# KiCad board constellation.kicad_pcb (continued)
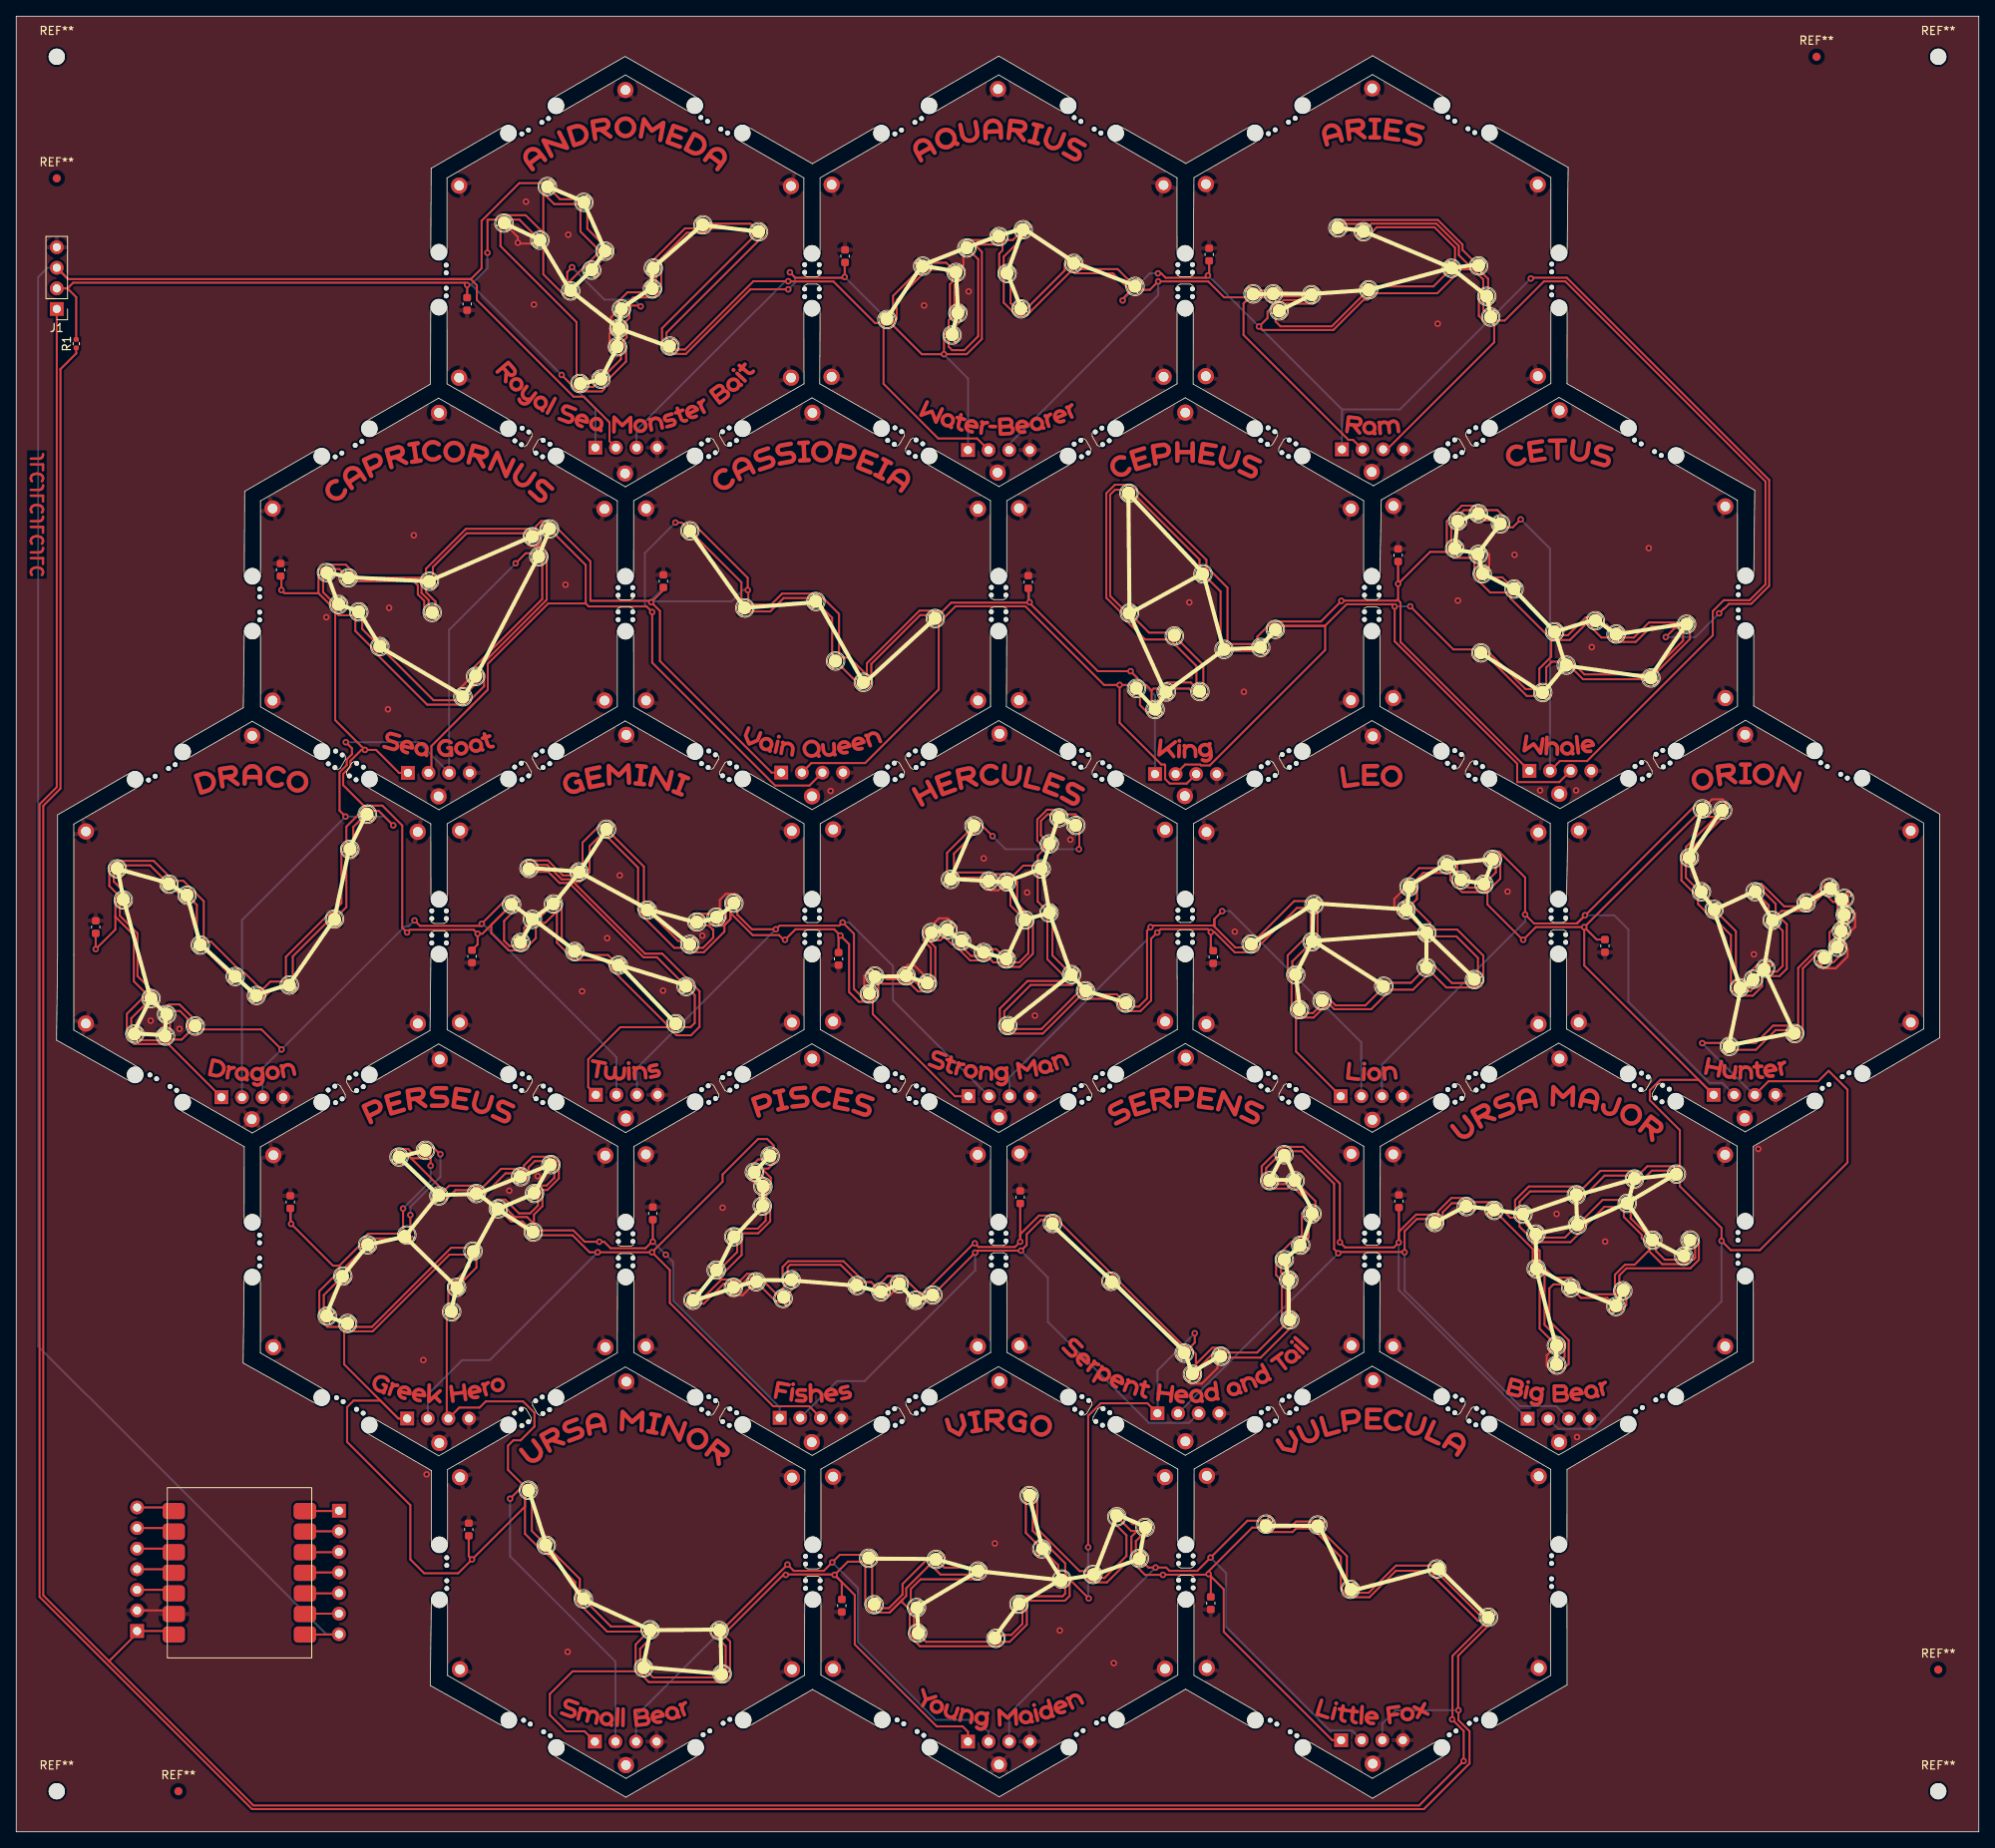
[diagram p0: board, top side]
## Placement (name value [footprint] x y rotation side) (continued)
U27  XL-1010RGBC  [LED-SMD_4P-L1.0-W1.0-TL_XL-1010RGBC-WS2812B]  123.9 187.9 225 top
U28  XL-1010RGBC  [LED-SMD_4P-L1.0-W1.0-TL_XL-1010RGBC-WS2812B]  130.41 193.5 180 top
U29  XL-1010RGBC  [LED-SMD_4P-L1.0-W1.0-TL_XL-1010RGBC-WS2812B]  137.96 190.66 180 top
U30  XL-1010RGBC  [LED-SMD_4P-L1.0-W1.0-TL_XL-1010RGBC-WS2812B]  152.52 189.74 270 top
U31  XL-1010RGBC  [LED-SMD_4P-L1.0-W1.0-TL_XL-1010RGBC-WS2812B]  155 189.74 180 top
U32  XL-1010RGBC  [LED-SMD_4P-L1.0-W1.0-TL_XL-1010RGBC-WS2812B]  159.72 189.64 180 top
U33  XL-1010RGBC  [LED-SMD_4P-L1.0-W1.0-TL_XL-1010RGBC-WS2812B]  155.72 187.65 90 top
U34  XL-1010RGBC  [LED-SMD_4P-L1.0-W1.0-TL_XL-1010RGBC-WS2812B]  166.76 190.24 270 top
U35  XL-1010RGBC  [LED-SMD_4P-L1.0-W1.0-TL_XL-1010RGBC-WS2812B]  176.99 192.9 270 top
U36  XL-1010RGBC  [LED-SMD_4P-L1.0-W1.0-TL_XL-1010RGBC-WS2812B]  166.11 197.41 0 top
U37  XL-1010RGBC  [LED-SMD_4P-L1.0-W1.0-TL_XL-1010RGBC-WS2812B]  162.97 197.88 0 top
U38  XL-1010RGBC  [LED-SMD_4P-L1.0-W1.0-TL_XL-1010RGBC-WS2812B]  180.32 193.19 180 top
U39  XL-1010RGBC  [LED-SMD_4P-L1.0-W1.0-TL_XL-1010RGBC-WS2812B]  181.33 189.44 90 top
U40  XL-1010RGBC  [LED-SMD_4P-L1.0-W1.0-TL_XL-1010RGBC-WS2812B]  181.82 186.88 180 top
U41  XL-1010RGBC  [LED-SMD_4P-L1.0-W1.0-TL_XL-1010RGBC-WS2812B]  183.02 161.37 0 top
U42  XL-1010RGBC  [LED-SMD_4P-L1.0-W1.0-TL_XL-1010RGBC-WS2812B]  180.3 162.64 0 top
U43  XL-1010RGBC  [LED-SMD_4P-L1.0-W1.0-TL_XL-1010RGBC-WS2812B]  177.75 161.72 90 top
U44  XL-1010RGBC  [LED-SMD_4P-L1.0-W1.0-TL_XL-1010RGBC-WS2812B]  177.38 158.33 180 top
U45  XL-1010RGBC  [LED-SMD_4P-L1.0-W1.0-TL_XL-1010RGBC-WS2812B]  180.29 157.59 180 top
U46  XL-1010RGBC  [LED-SMD_4P-L1.0-W1.0-TL_XL-1010RGBC-WS2812B]  180.77 155.2 180 top
U47  XL-1010RGBC  [LED-SMD_4P-L1.0-W1.0-TL_XL-1010RGBC-WS2812B]  184.7 153.32 180 top
U48  XL-1010RGBC  [LED-SMD_4P-L1.0-W1.0-TL_XL-1010RGBC-WS2812B]  189.7 148.05 180 top
U49  XL-1010RGBC  [LED-SMD_4P-L1.0-W1.0-TL_XL-1010RGBC-WS2812B]  194.72 149.41 180 top
U50  XL-1010RGBC  [LED-SMD_4P-L1.0-W1.0-TL_XL-1010RGBC-WS2812B]  197.28 147.77 180 top
U51  XL-1010RGBC  [LED-SMD_4P-L1.0-W1.0-TL_XL-1010RGBC-WS2812B]  205.96 148.98 180 top
U52  XL-1010RGBC  [LED-SMD_4P-L1.0-W1.0-TL_XL-1010RGBC-WS2812B]  201.56 142.36 90 top
U53  XL-1010RGBC  [LED-SMD_4P-L1.0-W1.0-TL_XL-1010RGBC-WS2812B]  191.13 143.94 0 top
U54  XL-1010RGBC  [LED-SMD_4P-L1.0-W1.0-TL_XL-1010RGBC-WS2812B]  188.24 140.56 90 top
U55  XL-1010RGBC  [LED-SMD_4P-L1.0-W1.0-TL_XL-1010RGBC-WS2812B]  180.61 145.45 0 top
U56  XL-1010RGBC  [LED-SMD_4P-L1.0-W1.0-TL_XL-1010RGBC-WS2812B]  155.25 148.35 90 top
U57  XL-1010RGBC  [LED-SMD_4P-L1.0-W1.0-TL_XL-1010RGBC-WS2812B]  153.46 146.12 90 top
U58  XL-1010RGBC  [LED-SMD_4P-L1.0-W1.0-TL_XL-1010RGBC-WS2812B]  148.94 145.88 0 top
U59  XL-1010RGBC  [LED-SMD_4P-L1.0-W1.0-TL_XL-1010RGBC-WS2812B]  146.34 155.19 0 top
U60  XL-1010RGBC  [LED-SMD_4P-L1.0-W1.0-TL_XL-1010RGBC-WS2812B]  137.21 165.15 0 top
U61  XL-1010RGBC  [LED-SMD_4P-L1.0-W1.0-TL_XL-1010RGBC-WS2812B]  137.27 150.36 180 top
U62  XL-1010RGBC  [LED-SMD_4P-L1.0-W1.0-TL_XL-1010RGBC-WS2812B]  142.81 147.53 180 top
U63  XL-1010RGBC  [LED-SMD_4P-L1.0-W1.0-TL_XL-1010RGBC-WS2812B]  145.96 140.68 90 top
U64  XL-1010RGBC  [LED-SMD_4P-L1.0-W1.0-TL_XL-1010RGBC-WS2812B]  141.81 140.62 90 top
U65  XL-1010RGBC  [LED-SMD_4P-L1.0-W1.0-TL_XL-1010RGBC-WS2812B]  140.44 138.47 90 top
U66  XL-1010RGBC  [LED-SMD_4P-L1.0-W1.0-TL_XL-1010RGBC-WS2812B]  138.15 141.06 0 top
U67  XL-1010RGBC  [LED-SMD_4P-L1.0-W1.0-TL_XL-1010RGBC-WS2812B]  113.33 149.69 0 top
U68  XL-1010RGBC  [LED-SMD_4P-L1.0-W1.0-TL_XL-1010RGBC-WS2812B]  104.47 141.81 0 top
U69  XL-1010RGBC  [LED-SMD_4P-L1.0-W1.0-TL_XL-1010RGBC-WS2812B]  101.03 144.44 0 top
U70  XL-1010RGBC  [LED-SMD_4P-L1.0-W1.0-TL_XL-1010RGBC-WS2812B]  98.6 151.79 0 top
U71  XL-1010RGBC  [LED-SMD_4P-L1.0-W1.0-TL_XL-1010RGBC-WS2812B]  89.84 150.99 0 top
U72  XL-1010RGBC  [LED-SMD_4P-L1.0-W1.0-TL_XL-1010RGBC-WS2812B]  83.07 160.51 0 top
U73  XL-1010RGBC  [LED-SMD_4P-L1.0-W1.0-TL_XL-1010RGBC-WS2812B]  65.76 160.75 0 top
U74  XL-1010RGBC  [LED-SMD_4P-L1.0-W1.0-TL_XL-1010RGBC-WS2812B]  63.65 159.78 0 top
U75  XL-1010RGBC  [LED-SMD_4P-L1.0-W1.0-TL_XL-1010RGBC-WS2812B]  50.95 154.29 90 top
U76  XL-1010RGBC  [LED-SMD_4P-L1.0-W1.0-TL_XL-1010RGBC-WS2812B]  51.28 150.44 90 top
U77  XL-1010RGBC  [LED-SMD_4P-L1.0-W1.0-TL_XL-1010RGBC-WS2812B]  40.95 154.7 0 top
U78  XL-1010RGBC  [LED-SMD_4P-L1.0-W1.0-TL_XL-1010RGBC-WS2812B]  38.27 155.37 90 top
U79  XL-1010RGBC  [LED-SMD_4P-L1.0-W1.0-TL_XL-1010RGBC-WS2812B]  39.76 151.42 180 top
U80  XL-1010RGBC  [LED-SMD_4P-L1.0-W1.0-TL_XL-1010RGBC-WS2812B]  42.24 150.51 180 top
U81  XL-1010RGBC  [LED-SMD_4P-L1.0-W1.0-TL_XL-1010RGBC-WS2812B]  44.84 146.22 180 top
U82  XL-1010RGBC  [LED-SMD_4P-L1.0-W1.0-TL_XL-1010RGBC-WS2812B]  55.08 140.03 270 top
U83  XL-1010RGBC  [LED-SMD_4P-L1.0-W1.0-TL_XL-1010RGBC-WS2812B]  56.64 142.54 0 top
U84  XL-1010RGBC  [LED-SMD_4P-L1.0-W1.0-TL_XL-1010RGBC-WS2812B]  64.44 157.32 0 top
U85  XL-1010RGBC  [LED-SMD_4P-L1.0-W1.0-TL_XL-1010RGBC-WS2812B]  43.29 125.55 90 top
U86  XL-1010RGBC  [LED-SMD_4P-L1.0-W1.0-TL_XL-1010RGBC-WS2812B]  41.13 121.2 90 top
U87  XL-1010RGBC  [LED-SMD_4P-L1.0-W1.0-TL_XL-1010RGBC-WS2812B]  39.25 112.62 90 top
U88  XL-1010RGBC  [LED-SMD_4P-L1.0-W1.0-TL_XL-1010RGBC-WS2812B]  33.68 104.47 90 top
U89  XL-1010RGBC  [LED-SMD_4P-L1.0-W1.0-TL_XL-1010RGBC-WS2812B]  29.62 103.19 0 top
U90  XL-1010RGBC  [LED-SMD_4P-L1.0-W1.0-TL_XL-1010RGBC-WS2812B]  27.01 105.52 0 top
U91  XL-1010RGBC  [LED-SMD_4P-L1.0-W1.0-TL_XL-1010RGBC-WS2812B]  22.7 109.4 0 top
U92  XL-1010RGBC  [LED-SMD_4P-L1.0-W1.0-TL_XL-1010RGBC-WS2812B]  21.07 115.55 0 top
U93  XL-1010RGBC  [LED-SMD_4P-L1.0-W1.0-TL_XL-1010RGBC-WS2812B]  18.84 116.91 0 top
U94  XL-1010RGBC  [LED-SMD_4P-L1.0-W1.0-TL_XL-1010RGBC-WS2812B]  12.46 118.81 90 top
U95  XL-1010RGBC  [LED-SMD_4P-L1.0-W1.0-TL_XL-1010RGBC-WS2812B]  13.2 114.97 90 top
U96  XL-1010RGBC  [LED-SMD_4P-L1.0-W1.0-TL_XL-1010RGBC-WS2812B]  16.62 102.81 90 top
U97  XL-1010RGBC  [LED-SMD_4P-L1.0-W1.0-TL_XL-1010RGBC-WS2812B]  14.62 98.44 180 top
U98  XL-1010RGBC  [LED-SMD_4P-L1.0-W1.0-TL_XL-1010RGBC-WS2812B]  18.4 98.17 270 top
U99  XL-1010RGBC  [LED-SMD_4P-L1.0-W1.0-TL_XL-1010RGBC-WS2812B]  18.54 100.84 0 top
U100  XL-1010RGBC  [LED-SMD_4P-L1.0-W1.0-TL_XL-1010RGBC-WS2812B]  22.07 99.42 180 top
U101  XL-1010RGBC  [LED-SMD_4P-L1.0-W1.0-TL_XL-1010RGBC-WS2812B]  61.09 114.41 180 top
U102  XL-1010RGBC  [LED-SMD_4P-L1.0-W1.0-TL_XL-1010RGBC-WS2812B]  62.22 109.72 270 top
U103  XL-1010RGBC  [LED-SMD_4P-L1.0-W1.0-TL_XL-1010RGBC-WS2812B]  63.65 112.57 270 top
U104  XL-1010RGBC  [LED-SMD_4P-L1.0-W1.0-TL_XL-1010RGBC-WS2812B]  66.25 114.47 270 top
U105  XL-1010RGBC  [LED-SMD_4P-L1.0-W1.0-TL_XL-1010RGBC-WS2812B]  68.87 108.6 180 top
U106  XL-1010RGBC  [LED-SMD_4P-L1.0-W1.0-TL_XL-1010RGBC-WS2812B]  74.25 106.92 180 top
U107  XL-1010RGBC  [LED-SMD_4P-L1.0-W1.0-TL_XL-1010RGBC-WS2812B]  81.33 99.69 180 top
U108  XL-1010RGBC  [LED-SMD_4P-L1.0-W1.0-TL_XL-1010RGBC-WS2812B]  82.61 104.29 0 top
U109  XL-1010RGBC  [LED-SMD_4P-L1.0-W1.0-TL_XL-1010RGBC-WS2812B]  63.23 118.86 0 top
U110  XL-1010RGBC  [LED-SMD_4P-L1.0-W1.0-TL_XL-1010RGBC-WS2812B]  69.41 118.42 270 top
U111  XL-1010RGBC  [LED-SMD_4P-L1.0-W1.0-TL_XL-1010RGBC-WS2812B]  72.79 123.69 180 top
U112  XL-1010RGBC  [LED-SMD_4P-L1.0-W1.0-TL_XL-1010RGBC-WS2812B]  77.83 113.7 180 top
U113  XL-1010RGBC  [LED-SMD_4P-L1.0-W1.0-TL_XL-1010RGBC-WS2812B]  83.06 109.48 180 top
U114  XL-1010RGBC  [LED-SMD_4P-L1.0-W1.0-TL_XL-1010RGBC-WS2812B]  83.93 112.25 0 top
U115  XL-1010RGBC  [LED-SMD_4P-L1.0-W1.0-TL_XL-1010RGBC-WS2812B]  86.33 112.84 180 top
U116  XL-1010RGBC  [LED-SMD_4P-L1.0-W1.0-TL_XL-1010RGBC-WS2812B]  88.49 114.57 180 top
U117  XL-1010RGBC  [LED-SMD_4P-L1.0-W1.0-TL_XL-1010RGBC-WS2812B]  105.19 103.38 270 top
U118  XL-1010RGBC  [LED-SMD_4P-L1.0-W1.0-TL_XL-1010RGBC-WS2812B]  105.87 105.57 270 top
U119  XL-1010RGBC  [LED-SMD_4P-L1.0-W1.0-TL_XL-1010RGBC-WS2812B]  109.74 105.6 270 top
U120  XL-1010RGBC  [LED-SMD_4P-L1.0-W1.0-TL_XL-1010RGBC-WS2812B]  112.36 104.69 270 top
U121  XL-1010RGBC  [LED-SMD_4P-L1.0-W1.0-TL_XL-1010RGBC-WS2812B]  112.83 110.94 180 top
U122  XL-1010RGBC  [LED-SMD_4P-L1.0-W1.0-TL_XL-1010RGBC-WS2812B]  114.89 111.31 180 top
U123  XL-1010RGBC  [LED-SMD_4P-L1.0-W1.0-TL_XL-1010RGBC-WS2812B]  116.56 109.89 180 top
U124  XL-1010RGBC  [LED-SMD_4P-L1.0-W1.0-TL_XL-1010RGBC-WS2812B]  119.27 108.48 270 top
U125  XL-1010RGBC  [LED-SMD_4P-L1.0-W1.0-TL_XL-1010RGBC-WS2812B]  122.08 107.68 180 top
U126  XL-1010RGBC  [LED-SMD_4P-L1.0-W1.0-TL_XL-1010RGBC-WS2812B]  124.39 112.5 0 top
U127  XL-1010RGBC  [LED-SMD_4P-L1.0-W1.0-TL_XL-1010RGBC-WS2812B]  122.16 117.19 0 top
U128  XL-1010RGBC  [LED-SMD_4P-L1.0-W1.0-TL_XL-1010RGBC-WS2812B]  119.94 117.31 0 top
U129  XL-1010RGBC  [LED-SMD_4P-L1.0-W1.0-TL_XL-1010RGBC-WS2812B]  115.2 117.5 0 top
U130  XL-1010RGBC  [LED-SMD_4P-L1.0-W1.0-TL_XL-1010RGBC-WS2812B]  118.1 124.11 270 top
U131  XL-1010RGBC  [LED-SMD_4P-L1.0-W1.0-TL_XL-1010RGBC-WS2812B]  130.66 124.16 0 top
U132  XL-1010RGBC  [LED-SMD_4P-L1.0-W1.0-TL_XL-1010RGBC-WS2812B]  128.59 125.11 0 top
U133  XL-1010RGBC  [LED-SMD_4P-L1.0-W1.0-TL_XL-1010RGBC-WS2812B]  127.39 121.88 180 top
U134  XL-1010RGBC  [LED-SMD_4P-L1.0-W1.0-TL_XL-1010RGBC-WS2812B]  126.39 118.78 90 top
U135  XL-1010RGBC  [LED-SMD_4P-L1.0-W1.0-TL_XL-1010RGBC-WS2812B]  127.35 113.38 180 top
U136  XL-1010RGBC  [LED-SMD_4P-L1.0-W1.0-TL_XL-1010RGBC-WS2812B]  130.13 105.76 180 top
U137  XL-1010RGBC  [LED-SMD_4P-L1.0-W1.0-TL_XL-1010RGBC-WS2812B]  122.26 99.47 180 top
U138  XL-1010RGBC  [LED-SMD_4P-L1.0-W1.0-TL_XL-1010RGBC-WS2812B]  131.85 103.75 180 top
U139  XL-1010RGBC  [LED-SMD_4P-L1.0-W1.0-TL_XL-1010RGBC-WS2812B]  136.81 102.23 180 top
U140  XL-1010RGBC  [LED-SMD_4P-L1.0-W1.0-TL_XL-1010RGBC-WS2812B]  152.28 109.53 270 top
U141  XL-1010RGBC  [LED-SMD_4P-L1.0-W1.0-TL_XL-1010RGBC-WS2812B]  160.03 114.41 180 top
U142  XL-1010RGBC  [LED-SMD_4P-L1.0-W1.0-TL_XL-1010RGBC-WS2812B]  159.79 109.82 90 top
U143  XL-1010RGBC  [LED-SMD_4P-L1.0-W1.0-TL_XL-1010RGBC-WS2812B]  157.78 105.72 180 top
U144  XL-1010RGBC  [LED-SMD_4P-L1.0-W1.0-TL_XL-1010RGBC-WS2812B]  158.24 101.44 180 top
U145  XL-1010RGBC  [LED-SMD_4P-L1.0-W1.0-TL_XL-1010RGBC-WS2812B]  161.02 102.52 270 top
U146  XL-1010RGBC  [LED-SMD_4P-L1.0-W1.0-TL_XL-1010RGBC-WS2812B]  168.63 104.32 270 top
U147  XL-1010RGBC  [LED-SMD_4P-L1.0-W1.0-TL_XL-1010RGBC-WS2812B]  173.88 106.64 270 top
U148  XL-1010RGBC  [LED-SMD_4P-L1.0-W1.0-TL_XL-1010RGBC-WS2812B]  179.82 105.14 270 top
U149  XL-1010RGBC  [LED-SMD_4P-L1.0-W1.0-TL_XL-1010RGBC-WS2812B]  173.94 110.89 0 top
U150  XL-1010RGBC  [LED-SMD_4P-L1.0-W1.0-TL_XL-1010RGBC-WS2812B]  171.38 113.75 0 top
U151  XL-1010RGBC  [LED-SMD_4P-L1.0-W1.0-TL_XL-1010RGBC-WS2812B]  171.74 116.57 0 top
U152  XL-1010RGBC  [LED-SMD_4P-L1.0-W1.0-TL_XL-1010RGBC-WS2812B]  176.41 119.32 270 top
U153  XL-1010RGBC  [LED-SMD_4P-L1.0-W1.0-TL_XL-1010RGBC-WS2812B]  178.12 117.43 180 top
U154  XL-1010RGBC  [LED-SMD_4P-L1.0-W1.0-TL_XL-1010RGBC-WS2812B]  180.99 116.91 270 top
U155  XL-1010RGBC  [LED-SMD_4P-L1.0-W1.0-TL_XL-1010RGBC-WS2812B]  182.03 119.97 0 top
U156  XL-1010RGBC  [LED-SMD_4P-L1.0-W1.0-TL_XL-1010RGBC-WS2812B]  207.93 126.19 180 top
U157  XL-1010RGBC  [LED-SMD_4P-L1.0-W1.0-TL_XL-1010RGBC-WS2812B]  210.42 126.04 180 top
U158  XL-1010RGBC  [LED-SMD_4P-L1.0-W1.0-TL_XL-1010RGBC-WS2812B]  206.31 120.18 90 top
U159  XL-1010RGBC  [LED-SMD_4P-L1.0-W1.0-TL_XL-1010RGBC-WS2812B]  207.79 115.97 180 top
U160  XL-1010RGBC  [LED-SMD_4P-L1.0-W1.0-TL_XL-1010RGBC-WS2812B]  209.37 113.8 180 top
U161  XL-1010RGBC  [LED-SMD_4P-L1.0-W1.0-TL_XL-1010RGBC-WS2812B]  212.48 104.13 180 top
U162  XL-1010RGBC  [LED-SMD_4P-L1.0-W1.0-TL_XL-1010RGBC-WS2812B]  214.21 105.18 0 top
U163  XL-1010RGBC  [LED-SMD_4P-L1.0-W1.0-TL_XL-1010RGBC-WS2812B]  215.71 106.55 180 top
U164  XL-1010RGBC  [LED-SMD_4P-L1.0-W1.0-TL_XL-1010RGBC-WS2812B]  216.53 112.45 0 top
U165  XL-1010RGBC  [LED-SMD_4P-L1.0-W1.0-TL_XL-1010RGBC-WS2812B]  214.41 115.99 0 top
U166  XL-1010RGBC  [LED-SMD_4P-L1.0-W1.0-TL_XL-1010RGBC-WS2812B]  220.72 114.61 270 top
U167  XL-1010RGBC  [LED-SMD_4P-L1.0-W1.0-TL_XL-1010RGBC-WS2812B]  223.59 116.48 180 top
U168  XL-1010RGBC  [LED-SMD_4P-L1.0-W1.0-TL_XL-1010RGBC-WS2812B]  225.43 115.16 180 top
U169  XL-1010RGBC  [LED-SMD_4P-L1.0-W1.0-TL_XL-1010RGBC-WS2812B]  225.54 113.13 180 top
U170  XL-1010RGBC  [LED-SMD_4P-L1.0-W1.0-TL_XL-1010RGBC-WS2812B]  225.07 111.13 90 top
U171  XL-1010RGBC  [LED-SMD_4P-L1.0-W1.0-TL_XL-1010RGBC-WS2812B]  224.6 109.11 180 top
U172  XL-1010RGBC  [LED-SMD_4P-L1.0-W1.0-TL_XL-1010RGBC-WS2812B]  222.78 107.67 0 top
U173  XL-1010RGBC  [LED-SMD_4P-L1.0-W1.0-TL_XL-1010RGBC-WS2812B]  219.31 98.48 0 top
U174  XL-1010RGBC  [LED-SMD_4P-L1.0-W1.0-TL_XL-1010RGBC-WS2812B]  211.24 96.9 0 top
U175  XL-1010RGBC  [LED-SMD_4P-L1.0-W1.0-TL_XL-1010RGBC-WS2812B]  204.72 81.15 0 top
U176  XL-1010RGBC  [LED-SMD_4P-L1.0-W1.0-TL_XL-1010RGBC-WS2812B]  199.54 80.53 0 top
U177  XL-1010RGBC  [LED-SMD_4P-L1.0-W1.0-TL_XL-1010RGBC-WS2812B]  192.38 78.59 0 top
U178  XL-1010RGBC  [LED-SMD_4P-L1.0-W1.0-TL_XL-1010RGBC-WS2812B]  185.79 76.19 180 top
U179  XL-1010RGBC  [LED-SMD_4P-L1.0-W1.0-TL_XL-1010RGBC-WS2812B]  187.4 73.75 180 top
U180  XL-1010RGBC  [LED-SMD_4P-L1.0-W1.0-TL_XL-1010RGBC-WS2812B]  192.53 74.88 270 top
U181  XL-1010RGBC  [LED-SMD_4P-L1.0-W1.0-TL_XL-1010RGBC-WS2812B]  198.66 77.53 180 top
U182  XL-1010RGBC  [LED-SMD_4P-L1.0-W1.0-TL_XL-1010RGBC-WS2812B]  201.79 72.99 180 top
U183  XL-1010RGBC  [LED-SMD_4P-L1.0-W1.0-TL_XL-1010RGBC-WS2812B]  205.62 71.01 270 top
U184  XL-1010RGBC  [LED-SMD_4P-L1.0-W1.0-TL_XL-1010RGBC-WS2812B]  206.4 73.01 270 top
U185  XL-1010RGBC  [LED-SMD_4P-L1.0-W1.0-TL_XL-1010RGBC-WS2812B]  198.1 66.75 180 top
U186  XL-1010RGBC  [LED-SMD_4P-L1.0-W1.0-TL_XL-1010RGBC-WS2812B]  197.25 64.81 0 top
U187  XL-1010RGBC  [LED-SMD_4P-L1.0-W1.0-TL_XL-1010RGBC-WS2812B]  191.71 67.12 0 top
U188  XL-1010RGBC  [LED-SMD_4P-L1.0-W1.0-TL_XL-1010RGBC-WS2812B]  189.97 57.59 0 top
U189  XL-1010RGBC  [LED-SMD_4P-L1.0-W1.0-TL_XL-1010RGBC-WS2812B]  189.93 59.99 0 top
U190  XL-1010RGBC  [LED-SMD_4P-L1.0-W1.0-TL_XL-1010RGBC-WS2812B]  187.43 69.47 0 top
U191  XL-1010RGBC  [LED-SMD_4P-L1.0-W1.0-TL_XL-1010RGBC-WS2812B]  182.24 76.67 0 top
U192  XL-1010RGBC  [LED-SMD_4P-L1.0-W1.0-TL_XL-1010RGBC-WS2812B]  178.82 77.13 0 top
U193  XL-1010RGBC  [LED-SMD_4P-L1.0-W1.0-TL_XL-1010RGBC-WS2812B]  174.92 75.18 0 top
U194  XL-1010RGBC  [LED-SMD_4P-L1.0-W1.0-TL_XL-1010RGBC-WS2812B]  156.33 83.54 90 top
U195  XL-1010RGBC  [LED-SMD_4P-L1.0-W1.0-TL_XL-1010RGBC-WS2812B]  154.55 80.33 180 top
U196  XL-1010RGBC  [LED-SMD_4P-L1.0-W1.0-TL_XL-1010RGBC-WS2812B]  157.7 80.31 180 top
U197  XL-1010RGBC  [LED-SMD_4P-L1.0-W1.0-TL_XL-1010RGBC-WS2812B]  159.78 76.25 90 top
U198  XL-1010RGBC  [LED-SMD_4P-L1.0-W1.0-TL_XL-1010RGBC-WS2812B]  158.39 72.38 90 top
U199  XL-1010RGBC  [LED-SMD_4P-L1.0-W1.0-TL_XL-1010RGBC-WS2812B]  156.37 70.59 90 top
U200  XL-1010RGBC  [LED-SMD_4P-L1.0-W1.0-TL_XL-1010RGBC-WS2812B]  156.91 68.08 180 top
U201  XL-1010RGBC  [LED-SMD_4P-L1.0-W1.0-TL_XL-1010RGBC-WS2812B]  157.04 63.16 180 top
U202  XL-1010RGBC  [LED-SMD_4P-L1.0-W1.0-TL_XL-1010RGBC-WS2812B]  148.56 58.67 0 top
U203  XL-1010RGBC  [LED-SMD_4P-L1.0-W1.0-TL_XL-1010RGBC-WS2812B]  145.04 56.45 0 top
U204  XL-1010RGBC  [LED-SMD_4P-L1.0-W1.0-TL_XL-1010RGBC-WS2812B]  144.03 59.06 0 top
U205  XL-1010RGBC  [LED-SMD_4P-L1.0-W1.0-TL_XL-1010RGBC-WS2812B]  134.99 67.92 0 top
U206  XL-1010RGBC  [LED-SMD_4P-L1.0-W1.0-TL_XL-1010RGBC-WS2812B]  127.78 75.06 0 top
U207  XL-1010RGBC  [LED-SMD_4P-L1.0-W1.0-TL_XL-1010RGBC-WS2812B]  113.03 66.23 90 top
U208  XL-1010RGBC  [LED-SMD_4P-L1.0-W1.0-TL_XL-1010RGBC-WS2812B]  110.92 65.59 0 top
U209  XL-1010RGBC  [LED-SMD_4P-L1.0-W1.0-TL_XL-1010RGBC-WS2812B]  108.89 67.6 0 top
U210  XL-1010RGBC  [LED-SMD_4P-L1.0-W1.0-TL_XL-1010RGBC-WS2812B]  106.62 66.62 90 top
U211  XL-1010RGBC  [LED-SMD_4P-L1.0-W1.0-TL_XL-1010RGBC-WS2812B]  103.69 67.4 0 top
U212  XL-1010RGBC  [LED-SMD_4P-L1.0-W1.0-TL_XL-1010RGBC-WS2812B]  95.56 68.1 180 top
U213  XL-1010RGBC  [LED-SMD_4P-L1.0-W1.0-TL_XL-1010RGBC-WS2812B]  94.56 65.81 90 top
U214  XL-1010RGBC  [LED-SMD_4P-L1.0-W1.0-TL_XL-1010RGBC-WS2812B]  91.23 67.87 0 top
U215  XL-1010RGBC  [LED-SMD_4P-L1.0-W1.0-TL_XL-1010RGBC-WS2812B]  88.44 67.16 0 top
U216  XL-1010RGBC  [LED-SMD_4P-L1.0-W1.0-TL_XL-1010RGBC-WS2812B]  83.44 65.59 0 top
U217  XL-1010RGBC  [LED-SMD_4P-L1.0-W1.0-TL_XL-1010RGBC-WS2812B]  86.31 69.31 270 top
U218  XL-1010RGBC  [LED-SMD_4P-L1.0-W1.0-TL_XL-1010RGBC-WS2812B]  88.47 73.41 0 top
U219  XL-1010RGBC  [LED-SMD_4P-L1.0-W1.0-TL_XL-1010RGBC-WS2812B]  92 77.21 0 top
U220  XL-1010RGBC  [LED-SMD_4P-L1.0-W1.0-TL_XL-1010RGBC-WS2812B]  92.08 79.6 270 top
U221  XL-1010RGBC  [LED-SMD_4P-L1.0-W1.0-TL_XL-1010RGBC-WS2812B]  91.03 81.4 0 top
U222  XL-1010RGBC  [LED-SMD_4P-L1.0-W1.0-TL_XL-1010RGBC-WS2812B]  92.97 83.38 270 top
U223  XL-1010RGBC  [LED-SMD_4P-L1.0-W1.0-TL_XL-1010RGBC-WS2812B]  63.75 73.99 0 top
U224  XL-1010RGBC  [LED-SMD_4P-L1.0-W1.0-TL_XL-1010RGBC-WS2812B]  59.44 76.86 0 top
U225  XL-1010RGBC  [LED-SMD_4P-L1.0-W1.0-TL_XL-1010RGBC-WS2812B]  63.91 78.76 0 top
U226  XL-1010RGBC  [LED-SMD_4P-L1.0-W1.0-TL_XL-1010RGBC-WS2812B]  65.93 82.32 0 top
U227  XL-1010RGBC  [LED-SMD_4P-L1.0-W1.0-TL_XL-1010RGBC-WS2812B]  62.19 80.82 0 top
U228  XL-1010RGBC  [LED-SMD_4P-L1.0-W1.0-TL_XL-1010RGBC-WS2812B]  56.74 78.75 0 top
U229  XL-1010RGBC  [LED-SMD_4P-L1.0-W1.0-TL_XL-1010RGBC-WS2812B]  52.12 78.45 0 top
U230  XL-1010RGBC  [LED-SMD_4P-L1.0-W1.0-TL_XL-1010RGBC-WS2812B]  47.2 83.25 0 top
U231  XL-1010RGBC  [LED-SMD_4P-L1.0-W1.0-TL_XL-1010RGBC-WS2812B]  50.47 84.07 270 top
U232  XL-1010RGBC  [LED-SMD_4P-L1.0-W1.0-TL_XL-1010RGBC-WS2812B]  48.16 73.62 90 top
U233  XL-1010RGBC  [LED-SMD_4P-L1.0-W1.0-TL_XL-1010RGBC-WS2812B]  43.33 72.42 90 top
U234  XL-1010RGBC  [LED-SMD_4P-L1.0-W1.0-TL_XL-1010RGBC-WS2812B]  40.27 68.56 90 top
U235  XL-1010RGBC  [LED-SMD_4P-L1.0-W1.0-TL_XL-1010RGBC-WS2812B]  38.35 63.62 180 top
U236  XL-1010RGBC  [LED-SMD_4P-L1.0-W1.0-TL_XL-1010RGBC-WS2812B]  40.87 62.72 180 top
U237  XL-1010RGBC  [LED-SMD_4P-L1.0-W1.0-TL_XL-1010RGBC-WS2812B]  56.33 71.63 180 top
U238  XL-1010RGBC  [LED-SMD_4P-L1.0-W1.0-TL_XL-1010RGBC-WS2812B]  54.3 67.16 90 top
U239  XL-1010RGBC  [LED-SMD_4P-L1.0-W1.0-TL_XL-1010RGBC-WS2812B]  53.7 64.16 90 top
U240  XL-1010RGBC  [LED-SMD_4P-L1.0-W1.0-TL_XL-1010RGBC-WS2812B]  63.16 42.13 180 top
U241  XL-1010RGBC  [LED-SMD_4P-L1.0-W1.0-TL_XL-1010RGBC-WS2812B]  65.36 35.34 180 top
U242  XL-1010RGBC  [LED-SMD_4P-L1.0-W1.0-TL_XL-1010RGBC-WS2812B]  69.92 28.74 180 top
U243  XL-1010RGBC  [LED-SMD_4P-L1.0-W1.0-TL_XL-1010RGBC-WS2812B]  78.17 24.91 180 top
U244  XL-1010RGBC  [LED-SMD_4P-L1.0-W1.0-TL_XL-1010RGBC-WS2812B]  77.36 20.22 180 top
U245  XL-1010RGBC  [LED-SMD_4P-L1.0-W1.0-TL_XL-1010RGBC-WS2812B]  87.06 19.47 270 top
U246  XL-1010RGBC  [LED-SMD_4P-L1.0-W1.0-TL_XL-1010RGBC-WS2812B]  86.69 24.82 270 top
U247  XL-1010RGBC  [LED-SMD_4P-L1.0-W1.0-TL_XL-1010RGBC-WS2812B]  105.12 33.75 180 top
U248  XL-1010RGBC  [LED-SMD_4P-L1.0-W1.0-TL_XL-1010RGBC-WS2812B]  105.77 28.02 180 top
U249  XL-1010RGBC  [LED-SMD_4P-L1.0-W1.0-TL_XL-1010RGBC-WS2812B]  113.42 33.6 180 top
U250  XL-1010RGBC  [LED-SMD_4P-L1.0-W1.0-TL_XL-1010RGBC-WS2812B]  118.61 32.16 180 top
U251  XL-1010RGBC  [LED-SMD_4P-L1.0-W1.0-TL_XL-1010RGBC-WS2812B]  111 27.66 180 top
U252  XL-1010RGBC  [LED-SMD_4P-L1.0-W1.0-TL_XL-1010RGBC-WS2812B]  111.14 24.5 180 top
U253  XL-1010RGBC  [LED-SMD_4P-L1.0-W1.0-TL_XL-1010RGBC-WS2812B]  120.81 23.87 270 top
U254  XL-1010RGBC  [LED-SMD_4P-L1.0-W1.0-TL_XL-1010RGBC-WS2812B]  123.64 28.09 0 top
U255  XL-1010RGBC  [LED-SMD_4P-L1.0-W1.0-TL_XL-1010RGBC-WS2812B]  128.93 31.18 0 top
U256  XL-1010RGBC  [LED-SMD_4P-L1.0-W1.0-TL_XL-1010RGBC-WS2812B]  126.47 34.91 0 top
U257  XL-1010RGBC  [LED-SMD_4P-L1.0-W1.0-TL_XL-1010RGBC-WS2812B]  124.92 41.49 270 top
U258  XL-1010RGBC  [LED-SMD_4P-L1.0-W1.0-TL_XL-1010RGBC-WS2812B]  132.76 31.75 180 top
U259  XL-1010RGBC  [LED-SMD_4P-L1.0-W1.0-TL_XL-1010RGBC-WS2812B]  135.72 38.87 270 top
U260  XL-1010RGBC  [LED-SMD_4P-L1.0-W1.0-TL_XL-1010RGBC-WS2812B]  139.19 37.54 180 top
U261  XL-1010RGBC  [LED-SMD_4P-L1.0-W1.0-TL_XL-1010RGBC-WS2812B]  138.49 33.72 180 top
U262  XL-1010RGBC  [LED-SMD_4P-L1.0-W1.0-TL_XL-1010RGBC-WS2812B]  154.1 37.96 180 top
U263  XL-1010RGBC  [LED-SMD_4P-L1.0-W1.0-TL_XL-1010RGBC-WS2812B]  160.49 37.85 180 top
U264  XL-1010RGBC  [LED-SMD_4P-L1.0-W1.0-TL_XL-1010RGBC-WS2812B]  164.5 29.91 180 top
U265  XL-1010RGBC  [LED-SMD_4P-L1.0-W1.0-TL_XL-1010RGBC-WS2812B]  175.19 32.43 180 top
U266  XL-1010RGBC  [LED-SMD_4P-L1.0-W1.0-TL_XL-1010RGBC-WS2812B]  181.53 26.47 180 top
U267  MOUDLE-SEEEDUINO-XIAO  [MOUDLE14P-SMD-2.54-21X17.8MM]  36.44 42.45 180 top  (not fitted)

## Library data of the parts
C1-C38 = -: Datasheet: https://jlcpcb.com/partdetail/20411-CL10A106KP8NNNC/C19702; Description: Unpolarized capacitor; LCSC Part: C19702; ki_fp_filters: C_*
J1 J3-J19 J22 J23 = -: Description: Generic connector, single row, 01x04, script generated (kicad-library-utils/schlib/autogen/connector/); ki_fp_filters: Connector*:*_1x??_*
J40 J41 = -: Description: Generic connector, single row, 01x07, script generated (kicad-library-utils/schlib/autogen/connector/); ki_fp_filters: Connector*:*_1x??_*
R1 = -: Datasheet: https://datasheet.lcsc.com/lcsc/2110251730_UNI-ROYAL-Uniroyal-Elec-0402WGF0000TCE_C17168.pdf; LCSC: C17168; MFG: UNI-ROYAL(Uniroyal Elec); MFGPN: 0402WGF0000TCE
U1-U266 = -: LCSC Part: C5349953

## Footprints (pads in the part's own frame, mm; a bottom-side part is the same pattern mirrored in y, then rotated)
C_0603_1608Metric
  rrect 0.9x0.95 smd: 1(-0.775,0) 2(0.775,0)
constellation-edge-connector_HOLES
  round 2 hole 1.2: 1(-20.516,-11.498) 1(-20.506,12.197) 1(-0.05,-23.315) 1(0,24) 1(20.416,12.148) 1(20.426,-11.498)
Fiducial_1mm_Mask2mm
  round 1 smd: (0,0)
LED-SMD_4P-L1.0-W1.0-TL_XL-1010RGBC-WS2812B
  rect 0.45x0.45 smd: 1(-0.425,0.425) 2(0.425,0.425) 3(-0.425,-0.425) 4(0.425,-0.425)
MOUDLE14P-SMD-2.54-21X17.8MM
  rrect 2.75x2 smd: 1(0.835,18.12) 2(0.835,15.58) 3(0.835,13.04) 4(0.835,10.5) 5(0.835,7.96) 6(0.835,5.42) 7(0.835,2.88) 8(17,2.88) 9(17,5.42) 10(17,7.96) 11(17,10.5) 12(17,13.04) 13(17,15.58) 14(17,18.12)
MountingHole_2mm
  round 2 hole 2 unplated: (0,0)
mouse-bite-2mm-slot_1
  round 2 hole 2 unplated: (-3.3,0) (3.5,0)
  round 0.6 hole 0.6 unplated: (-1.9,0.9) (-1.9,-0.9) (-0.95,0.9) (-0.95,-0.9) (1.1,0.9) (1.1,-0.9) (2.05,0.9) (2.05,-0.9)
mouse-bite-2mm-slot_edge
  round 2 hole 2 unplated: (-3.3,0) (3.5,0)
  round 0.6 hole 0.6 unplated: (-1.9,-0.9) (-0.95,-0.9) (0.95,-0.9) (1.9,-0.9)
PinHeader_1x04_P2.54mm_Vertical
  rect 1.7x1.7 hole 1: 1(0,0)
  oval 1.7x1.7 hole 1: 2(0,-2.54) 3(0,-5.08) 4(0,-7.62)
PinHeader_1x07_P2.54mm_Vertical
  rect 1.7x1.7 hole 1: 1(0,0)
  oval 1.7x1.7 hole 1: 2(0,-2.54) 3(0,-5.08) 4(0,-7.62) 5(0,-10.16) 6(0,-12.7) 7(0,-15.24)
R_0402_1005Metric
  rrect 0.54x0.64 smd: 1(-0.51,0) 2(0.51,0)
unnamed
  rrect 2x2.75 smd: 7(0,0)

## Nets
+5V: C1.2 C2.2 C3.2 C4.2 C5.2 C6.2 C7.2 C8.2 C9.2 C10.2 C11.2 C12.2 C13.2 C14.2 C15.2 C16.2 C17.2 C18.2 C19.2 C20.2 C21.2 C22.2 C23.2 C24.2 C25.2 C26.2 C27.2 C28.2 C29.2 C30.2 C31.2 C32.2 C33.2 C34.2 C35.2 C36.2 C37.2 C38.2 J1.2 J3.1 J4.1 J5.1 J6.1 J7.1 J8.1 J9.1 J10.1 J11.1 J12.1 J13.1 J14.1 J15.1 J16.1 J17.1 J18.1 J19.1 J22.1 J23.1 J41.1 R1.1 R1.2 U1.2 U2.2 U3.2 U4.2 U5.2 U6.2 U7.2 U8.2 U9.2 U10.2 U11.2 U12.2 U13.2 U14.2 U15.2 U16.2 U17.2 U18.2 U19.2 U20.2 U21.2 U22.2 U23.2 U24.2 U25.2 U26.2 U27.2 U28.2 U29.2 U30.2 U31.2 U32.2 U33.2 U34.2 U35.2 U36.2 U37.2 U38.2 U39.2 U40.2 U41.2 U42.2 U43.2 U44.2 U45.2 U46.2 U47.2 U48.2 U49.2 U50.2 U51.2 U52.2 U53.2 U54.2 U55.2 U56.2 U57.2 U58.2 U59.2 U60.2 U61.2 U62.2 U63.2 U64.2 U65.2 U66.2 U67.2 U68.2 U69.2 U70.2 U71.2 U72.2 U73.2 U74.2 U75.2 U76.2 U77.2 U78.2 U79.2 U80.2 U81.2 U82.2 U83.2 U84.2 U85.2 U86.2 U87.2 U88.2 U89.2 U90.2 U91.2 U92.2 U93.2 U94.2 U95.2 U96.2 U97.2 U98.2 U99.2 U100.2 U101.2 U102.2 U103.2 U104.2 U105.2 U106.2 U107.2 U108.2 U109.2 U110.2 U111.2 U112.2 U113.2 U114.2 U115.2 U116.2 U117.2 U118.2 U119.2 U120.2 U121.2 U122.2 U123.2 U124.2 U125.2 U126.2 U127.2 U128.2 U129.2 U130.2 U131.2 U132.2 U133.2 U134.2 U135.2 U136.2 U137.2 U138.2 U139.2 U140.2 U141.2 U142.2 U143.2 U144.2 U145.2 U146.2 U147.2 U148.2 U149.2 U150.2 U151.2 U152.2 U153.2 U154.2 U155.2 U156.2 U157.2 U158.2 U159.2 U160.2 U161.2 U162.2 U163.2 U164.2 U165.2 U166.2 U167.2 U168.2 U169.2 U170.2 U171.2 U172.2 U173.2 U174.2 U175.2 U176.2 U177.2 U178.2 U179.2 U180.2 U181.2 U182.2 U183.2 U184.2 U185.2 U186.2 U187.2 U188.2 U189.2 U190.2 U191.2 U192.2 U193.2 U194.2 U195.2 U196.2 U197.2 U198.2 U199.2 U200.2 U201.2 U202.2 U203.2 U204.2 U205.2 U206.2 U207.2 U208.2 U209.2 U210.2 U211.2 U212.2 U213.2 U214.2 U215.2 U216.2 U217.2 U218.2 U219.2 U220.2 U221.2 U222.2 U223.2 U224.2 U225.2 U226.2 U227.2 U228.2 U229.2 U230.2 U231.2 U232.2 U233.2 U234.2 U235.2 U236.2 U237.2 U238.2 U239.2 U240.2 U241.2 U242.2 U243.2 U244.2 U245.2 U246.2 U247.2 U248.2 U249.2 U250.2 U251.2 U252.2 U253.2 U254.2 U255.2 U256.2 U257.2 U258.2 U259.2 U260.2 U261.2 U262.2 U263.2 U264.2 U265.2 U266.2 U267.14
GND: C1.1 C2.1 C3.1 C4.1 C5.1 C6.1 C7.1 C8.1 C9.1 C10.1 C11.1 C12.1 C13.1 C14.1 C15.1 C16.1 C17.1 C18.1 C19.1 C20.1 C21.1 C22.1 C23.1 C24.1 C25.1 C26.1 C27.1 C28.1 C29.1 C30.1 C31.1 C32.1 C33.1 C34.1 C35.1 C36.1 C37.1 C38.1 J1.4 J2.1 J3.4 J4.4 J5.4 J6.4 J7.4 J8.4 J9.4 J10.4 J11.4 J12.4 J13.4 J14.4 J15.4 J16.4 J17.4 J18.4 J19.4 J20.1 J21.1 J22.4 J23.4 J24.1 J25.1 J26.1 J27.1 J28.1 J29.1 J30.1 J31.1 J32.1 J33.1 J34.1 J35.1 J36.1 J37.1 J38.1 J39.1 J41.2 U1.3 U2.3 U3.3 U4.3 U5.3 U6.3 U7.3 U8.3 U9.3 U10.3 U11.3 U12.3 U13.3 U14.3 U15.3 U16.3 U17.3 U18.3 U19.3 U20.3 U21.3 U22.3 U23.3 U24.3 U25.3 U26.3 U27.3 U28.3 U29.3 U30.3 U31.3 U32.3 U33.3 U34.3 U35.3 U36.3 U37.3 U38.3 U39.3 U40.3 U41.3 U42.3 U43.3 U44.3 U45.3 U46.3 U47.3 U48.3 U49.3 U50.3 U51.3 U52.3 U53.3 U54.3 U55.3 U56.3 U57.3 U58.3 U59.3 U60.3 U61.3 U62.3 U63.3 U64.3 U65.3 U66.3 U67.3 U68.3 U69.3 U70.3 U71.3 U72.3 U73.3 U74.3 U75.3 U76.3 U77.3 U78.3 U79.3 U80.3 U81.3 U82.3 U83.3 U84.3 U85.3 U86.3 U87.3 U88.3 U89.3 U90.3 U91.3 U92.3 U93.3 U94.3 U95.3 U96.3 U97.3 U98.3 U99.3 U100.3 U101.3 U102.3 U103.3 U104.3 U105.3 U106.3 U107.3 U108.3 U109.3 U110.3 U111.3 U112.3 U113.3 U114.3 U115.3 U116.3 U117.3 U118.3 U119.3 U120.3 U121.3 U122.3 U123.3 U124.3 U125.3 U126.3 U127.3 U128.3 U129.3 U130.3 U131.3 U132.3 U133.3 U134.3 U135.3 U136.3 U137.3 U138.3 U139.3 U140.3 U141.3 U142.3 U143.3 U144.3 U145.3 U146.3 U147.3 U148.3 U149.3 U150.3 U151.3 U152.3 U153.3 U154.3 U155.3 U156.3 U157.3 U158.3 U159.3 U160.3 U161.3 U162.3 U163.3 U164.3 U165.3 U166.3 U167.3 U168.3 U169.3 U170.3 U171.3 U172.3 U173.3 U174.3 U175.3 U176.3 U177.3 U178.3 U179.3 U180.3 U181.3 U182.3 U183.3 U184.3 U185.3 U186.3 U187.3 U188.3 U189.3 U190.3 U191.3 U192.3 U193.3 U194.3 U195.3 U196.3 U197.3 U198.3 U199.3 U200.3 U201.3 U202.3 U203.3 U204.3 U205.3 U206.3 U207.3 U208.3 U209.3 U210.3 U211.3 U212.3 U213.3 U214.3 U215.3 U216.3 U217.3 U218.3 U219.3 U220.3 U221.3 U222.3 U223.3 U224.3 U225.3 U226.3 U227.3 U228.3 U229.3 U230.3 U231.3 U232.3 U233.3 U234.3 U235.3 U236.3 U237.3 U238.3 U239.3 U240.3 U241.3 U242.3 U243.3 U244.3 U245.3 U246.3 U247.3 U248.3 U249.3 U250.3 U251.3 U252.3 U253.3 U254.3 U255.3 U256.3 U257.3 U258.3 U259.3 U260.3 U261.3 U262.3 U263.3 U264.3 U265.3 U266.3 U267.13
LED_Andromeda: J1.3 J3.2 J40.7 U1.4 U267.1
LED_Aquarius: J3.3 J4.2 U17.1 U18.4
LED_Aries: J4.3 J5.2 U29.1 U30.4
LED_Capricornus: J8.3 J9.2 U72.1 U73.4
LED_Cassiopeia: J7.3 J8.2 U66.1 U67.4
LED_Cepheus: J6.3 J7.2 U55.1 U56.4
LED_Cetus: J5.3 J6.2 U40.1 U41.4
LED_Draco: J9.3 J10.2 U84.1 U85.4
LED_Gemini: J10.3 J11.2 U100.1 U101.4
LED_Hercules: J11.3 J12.2 U116.1 U117.4
LED_Leo: J12.3 J13.2 U139.1 U140.4
LED_Orion: J13.3 J14.2 U155.1 U156.4
LED_OUT: J1.1 J23.3 U266.1
LED_Perseus: J17.3 J18.2 U222.1 U223.4
LED_Pisces: J16.3 J17.2 U206.1 U207.4
LED_Serpens: J15.3 J16.2 U193.1 U194.4
LED_Ursa_major: J14.3 J15.2 U174.1 U175.4
LED_Ursa_minor: J18.3 J19.2 U239.1 U240.4
LED_Virgo: J19.3 J22.2 U246.1 U247.4
LED_Vulpecula: J22.3 J23.2 U261.1 U262.4
Net-(J40-Pin_1): J40.1 NOREF#74.7 U267.7
Net-(J40-Pin_2): J40.2 U267.6
Net-(J40-Pin_3): J40.3 U267.5
Net-(J40-Pin_4): J40.4 U267.4
Net-(J40-Pin_5): J40.5 U267.3
Net-(J40-Pin_6): J40.6 U267.2
Net-(J41-Pin_3): J41.3 U267.12
Net-(J41-Pin_4): J41.4 U267.11
Net-(J41-Pin_5): J41.5 U267.10
Net-(J41-Pin_6): J41.6 U267.9
Net-(J41-Pin_7): J41.7 U267.8
Net-(U1-DOUT): U1.1 U2.4
Net-(U2-DOUT): U2.1 U3.4
Net-(U3-DOUT): U3.1 U4.4
Net-(U4-DOUT): U4.1 U5.4
Net-(U5-DOUT): U5.1 U6.4
Net-(U6-DOUT): U6.1 U7.4
Net-(U7-DOUT): U7.1 U8.4
Net-(U8-DOUT): U8.1 U9.4
Net-(U10-DIN): U9.1 U10.4
Net-(U10-DOUT): U10.1 U11.4
Net-(U11-DOUT): U11.1 U12.4
Net-(U12-DOUT): U12.1 U13.4
Net-(U13-DOUT): U13.1 U14.4
Net-(U14-DOUT): U14.1 U15.4
Net-(U15-DOUT): U15.1 U16.4
Net-(U16-DOUT): U16.1 U17.4
Net-(U18-DOUT): U18.1 U19.4
Net-(U19-DOUT): U19.1 U20.4
Net-(U20-DOUT): U20.1 U21.4
Net-(U21-DOUT): U21.1 U22.4
Net-(U22-DOUT): U22.1 U23.4
Net-(U23-DOUT): U23.1 U24.4
Net-(U24-DOUT): U24.1 U25.4
Net-(U25-DOUT): U25.1 U26.4
Net-(U26-DOUT): U26.1 U27.4
Net-(U27-DOUT): U27.1 U28.4
Net-(U28-DOUT): U28.1 U29.4
Net-(U30-DOUT): U30.1 U31.4
Net-(U31-DOUT): U31.1 U32.4
Net-(U32-DOUT): U32.1 U33.4
Net-(U33-DOUT): U33.1 U34.4
Net-(U34-DOUT): U34.1 U35.4
Net-(U35-DOUT): U35.1 U36.4
Net-(U36-DOUT): U36.1 U37.4
Net-(U37-DOUT): U37.1 U38.4
Net-(U38-DOUT): U38.1 U39.4
Net-(U39-DOUT): U39.1 U40.4
Net-(U41-DOUT): U41.1 U42.4
Net-(U42-DOUT): U42.1 U43.4
Net-(U43-DOUT): U43.1 U44.4
Net-(U44-DOUT): U44.1 U45.4
Net-(U45-DOUT): U45.1 U46.4
Net-(U46-DOUT): U46.1 U47.4
Net-(U47-DOUT): U47.1 U48.4
Net-(U48-DOUT): U48.1 U49.4
Net-(U49-DOUT): U49.1 U50.4
Net-(U50-DOUT): U50.1 U51.4
Net-(U51-DOUT): U51.1 U52.4
Net-(U52-DOUT): U52.1 U53.4
Net-(U53-DOUT): U53.1 U54.4
Net-(U54-DOUT): U54.1 U55.4
Net-(U56-DOUT): U56.1 U57.4
Net-(U57-DOUT): U57.1 U58.4
Net-(U58-DOUT): U58.1 U59.4
Net-(U59-DOUT): U59.1 U60.4
Net-(U60-DOUT): U60.1 U61.4
Net-(U61-DOUT): U61.1 U62.4
Net-(U62-DOUT): U62.1 U63.4
Net-(U63-DOUT): U63.1 U64.4
Net-(U64-DOUT): U64.1 U65.4
Net-(U65-DOUT): U65.1 U66.4
Net-(U67-DOUT): U67.1 U68.4
Net-(U68-DOUT): U68.1 U69.4
Net-(U69-DOUT): U69.1 U70.4
Net-(U70-DOUT): U70.1 U71.4
Net-(U71-DOUT): U71.1 U72.4
Net-(U73-DOUT): U73.1 U74.4
Net-(U74-DOUT): U74.1 U75.4
Net-(U75-DOUT): U75.1 U76.4
Net-(U76-DOUT): U76.1 U77.4
Net-(U77-DOUT): U77.1 U78.4
Net-(U78-DOUT): U78.1 U79.4
Net-(U79-DOUT): U79.1 U80.4
Net-(U80-DOUT): U80.1 U81.4
Net-(U81-DOUT): U81.1 U82.4
Net-(U82-DOUT): U82.1 U83.4
Net-(U83-DOUT): U83.1 U84.4
Net-(U85-DOUT): U85.1 U86.4
Net-(U86-DOUT): U86.1 U87.4
Net-(U87-DOUT): U87.1 U88.4
Net-(U88-DOUT): U88.1 U89.4
Net-(U89-DOUT): U89.1 U90.4
Net-(U90-DOUT): U90.1 U91.4
Net-(U91-DOUT): U91.1 U92.4
Net-(U92-DOUT): U92.1 U93.4
Net-(U93-DOUT): U93.1 U94.4
Net-(U94-DOUT): U94.1 U95.4
Net-(U95-DOUT): U95.1 U96.4
Net-(U96-DOUT): U96.1 U97.4
Net-(U97-DOUT): U97.1 U98.4
Net-(U98-DOUT): U98.1 U99.4
Net-(U100-DIN): U99.1 U100.4
Net-(U101-DOUT): U101.1 U102.4
Net-(U102-DOUT): U102.1 U103.4
Net-(U103-DOUT): U103.1 U104.4
Net-(U104-DOUT): U104.1 U105.4
Net-(U105-DOUT): U105.1 U106.4
Net-(U106-DOUT): U106.1 U107.4
Net-(U107-DOUT): U107.1 U108.4
Net-(U108-DOUT): U108.1 U109.4
Net-(U109-DOUT): U109.1 U110.4
Net-(U110-DOUT): U110.1 U111.4
Net-(U111-DOUT): U111.1 U112.4
Net-(U112-DOUT): U112.1 U113.4
Net-(U113-DOUT): U113.1 U114.4
Net-(U114-DOUT): U114.1 U115.4
Net-(U115-DOUT): U115.1 U116.4
Net-(U117-DOUT): U117.1 U118.4
